# KiCad board st251_20629.kicad_pcb (continued)
## Routing (per net, layer and track width the routed paths; a pad name or vN(x,y) marks a point on that pad's centre or on a via; arc(x,y) is an arc through that point) (continued)
/Digital/D2: length 108.9
  Top w0.254: 6B1.17 42.74,105.08 v1(42.04,105.79) 43.18,106.93 55.88,106.93 57.79,108.84 6C1.17 ; 9.4,57.15 3A1.18 8.76,57.15 7.87,58.04 v1(7.49,58.04) ; 4A1.11 11.68,68.83 19.05,68.83 23.49,64.39 28.19,64.39 28.96,65.15 32.38,65.15 32.89,64.64 v1(35.05,64.64)
  Bottom w0.254: v1(42.04,105.79) 42.04,104.9 36.58,99.44 36.58,76.45 34.8,74.68 34.8,64.9 v1(35.05,64.64) ; 7.37,57.91 v1(7.49,58.04) 8.38,58.93 8.38,62.74 11.81,66.17 11.81,68.71 4A1.11
/Digital/D3: length 101
  Top w0.254: v1(10.92,60.83) 11.05,60.71 3A1.17 ; 6B1.13 37.66,105.47 v1(37.34,105.79) 39.1,107.56 40.45,107.56 41.1,108.2 51.93,108.2 52.71,108.98 6C1.13 ; v1(12.95,75.18) 12.95,73.53 15.75,70.74 20.7,70.74 23.88,67.56 27.56,67.56 28.19,68.2 v1(32.38,68.2)
  Bottom w0.254: v1(37.34,105.79) 37.34,102.87 35.43,100.97 35.43,77.6 33.66,75.82 33.66,69.47 v1(32.38,68.2) ; v1(12.95,75.18) 12.95,73.53 13.72,72.77 13.72,64.77 10.92,61.98 v1(10.92,60.83)
/Digital/D4: length 108.1
  Top w0.254: v1(12.19,56.52) 12.32,56.64 3A1.16 ; 6C1.3 59.05,118.91 57.62,117.48 54.48,117.48 53.34,116.33 45.47,116.33 v1(44.32,115.19) 44.01,114.88 6B1.3 ; v1(14.86,73.28) 16.76,71.37 21.34,71.37 22.61,70.1 v1(31.24,70.1)
  Bottom w0.254: v1(12.19,56.52) 12.19,62.1 14.86,64.77 v1(14.86,73.28) ; v1(44.32,115.19) 43.05,113.92 41.27,113.92 36.32,108.97 36.32,103.12 34.8,101.6 34.8,78.11 33.02,76.33 33.02,71.88 v1(31.24,70.1)
/Digital/D5: length 99.3
  Top w0.254: 3A1.15 13.59,60.71 v1(13.46,60.83) ; v1(31.24,72.64) 18.03,72.64 v1(15.49,75.18) ; 6C1.8 52.71,118.36 52.32,117.98 40.51,117.98 v1(37.72,115.19) 37.66,115.13 6B1.8
  Bottom w0.254: v1(13.46,60.83) 15.37,62.74 15.37,72.14 16,72.77 16,74.68 v1(15.49,75.18) ; v1(31.24,72.64) 30.73,73.15 30.73,79.76 32.89,81.91 32.89,103.25 34.54,104.9 34.54,112.01 v1(37.72,115.19)
/Digital/D6: length 103.4
  Top w0.254: v1(15.49,77.09) 17.4,75.18 v1(31.88,75.18) ; v1(14.73,56.52) 14.86,56.64 3A1.14 ; 6B1.7 38.93,114.63 v1(39.5,115.19) 40.13,115.19 42.42,117.48 52.46,117.48 53.04,118.05 53.12,118.05 53.31,118.24 53.31,118.32 53.98,118.99 6C1.7
  Bottom w0.254: v1(14.73,56.52) 14.73,61.21 16,62.48 16,71.76 16.64,72.39 16.64,75.95 v1(15.49,77.09) ; v1(39.5,115.19) 35.05,110.74 35.05,104.39 33.4,102.74 33.4,81.15 31.37,79.12 31.37,75.69 v1(31.88,75.18)
/Digital/D7: length 96.4
  Top w0.254: v1(32.38,77.72) v1(17.4,77.72) ; v1(16,60.83) 16.13,60.71 3A1.13 ; 6B1.4 42.74,114.86 v1(42.42,115.19) 42.86,115.19 44.64,116.97 52.68,116.97 53.7,117.98 57.39,117.98 57.79,118.38 6C1.4
  Bottom w0.254: v1(16,60.83) 16.64,61.47 16.64,71.37 17.4,72.14 v1(17.4,77.72) ; v1(32.38,77.72) 34.04,79.38 34.04,102.11 35.69,103.76 35.69,109.6 41.27,115.19 v1(42.42,115.19)
/Digital/DIRECTION: length 22.1
  Top w0.254: v1(59.31,122.3) 57.79,123.83 57.79,124.46 ; 6C1.15 55.24,111.51 56.77,113.03 58.29,113.03 v1(58.93,113.67)
  Bottom w0.254: v1(59.31,122.3) 56.26,119.25 56.26,113.41 56.64,113.03 58.29,113.03 v1(58.93,113.67)
/Digital/EMS: length 18.5
  Top w0.254: 2E1.11 74.55,27.05 73.66,26.16 70.48,26.16 v1(70.1,25.78) 69.47,26.42 68.07,26.42 67.56,25.91 67.56,23.5 68.45,22.61 68.45,21.34 67.68,20.56 65.29,20.56 65.02,20.83 1D1.2
/Digital/MCU_INDEX: length 34.9
  Top w0.254: 3A1.33 16.13,41.02 17.65,39.5 20.7,39.5 22.35,41.15 27.43,41.15 v1(28.45,42.16) ; 33.65,25.27 33.65,25.91 v1(32,27.56)
  Bottom w0.254: v1(32,27.56) 29.34,30.23 29.34,35.81 28.45,36.7 v1(28.45,42.16)
/Digital/PA2: length 31.2
  Top w0.254: 2B1.39 28.57,26.92 27.94,26.29 v1(27.94,25.65) ; v1(25.27,38.86) 24.77,38.35 16.89,38.35 13.59,41.66 3A1.31
  Bottom w0.254: v1(25.27,38.86) 26.16,37.97 26.16,36.07 27.43,34.8 27.43,29.08 28.07,28.45 28.07,26.29 27.94,26.16 v1(27.94,25.65)
/Digital/PHI2: length 94.2
  Top w0.254: 2D1.6 59.82,31.12 v1(59.44,30.73) 61.15,29.02 71.31,29.02 72.01,28.32 2E1.9 ; 3A1.4 28.2,54.61 29.46,55.88 29.46,58.42 29.84,58.8 32.51,58.8 37.46,53.85 37.46,51.05 40.64,47.88 46.35,47.88 46.61,47.62 58.04,47.62 59.94,45.72 v1(59.94,45.34) ; v1(62.1,24.64) 63.75,22.99 1D1.3
  Bottom w0.254: v1(34.67,56.39) 34.23,55.95 R80.2 ; v1(59.94,45.34) 62.36,42.93 62.36,40.39 59.44,37.47 v1(59.44,30.73) 59.44,27.31 v1(62.1,24.64)
/Digital/R/~{W}: length 95.7
  Top w0.254: v1(61.85,49.28) 60.96,50.17 47.88,50.17 47.5,50.55 41.78,50.55 40.13,52.2 40.13,56.13 35.05,61.21 v1(26.54,61.21) ; 2E1.10 73.28,28.25 72.06,29.46 71.75,29.46 71.75,29.47 62.35,29.47 v1(61.09,30.73) 2D1.5 ; v1(23.11,56.13) 21.08,56.13 19.94,57.28 3A1.10
  Bottom w0.254: v1(26.54,61.21) 28.45,59.31 28.45,56.82 27.77,56.13 v1(23.11,56.13) ; v1(61.09,30.73) 60.2,31.62 60.2,36.45 62.99,39.24 62.99,43.43 60.83,45.59 60.83,48.26 v1(61.85,49.28)
/Digital/~{0100}: length 107.2
  Top w0.254: 6C1.11 50.16,111 v1(49.02,112.14) ; 2D1.15 64.9,26.8 64.64,26.54 64.26,26.54 63.5,25.78 60.96,25.78 59.94,24.77 56.51,24.77 54.86,26.42 52.07,26.42 51.18,27.31 v1(50.42,27.31)
  Bottom w0.254: v1(50.42,27.31) 50.42,60.96 49.15,62.23 49.15,84.71 51.43,87 51.43,102.62 49.66,104.39 49.66,111.51 v1(49.02,112.14)
/Digital/~{0101}: length 10.4
  Top w0.254: 2D1.14 63.63,26.67 63.25,26.29 59.82,26.29 v1(59.31,25.78) ; v1(60.58,24.13) 61.21,23.5 1D1.5
  Bottom w0.254: v1(60.58,24.13) 60.58,24.51 v1(59.31,25.78)
/Digital/~{0107}: length 35.7
  Top w0.254: 35.81,22.23 35.81,23.5 34.92,24.39 2B1.43 ; 35.81,22.23 41.53,22.23 42.42,23.11 45.59,23.11 48.51,26.04 48.51,27.18 49.53,28.19 50.55,28.19 53.71,31.36 57.77,31.36 57.79,31.37 58.17,31.37 58.55,31.75 2D1.7 ; 35.81,22.23 32.38,22.23 v1(32,21.84)
/Digital/~{EMS}: length 161.2
  Top w0.254: v1(22.23,52.96) 17.4,57.79 3A1.12 ; 6B1.11 35.12,105.86 37.59,108.33 v1(40.13,108.33) ; v1(63.75,48.26) 63.75,48.9 61.98,50.67 49.02,50.67 48.64,51.05 42.21,51.05 40.63,52.64 40.63,57.54 v1(36.2,61.98) 35.94,61.98 35.81,61.85 28.83,61.85 v1(28.07,62.61) ; v1(66.29,25.02) 1D1.1 ; v1(62.36,34.54) 2D1.4
  Bottom w0.254: v1(28.07,62.61) 29.17,61.51 29.17,56.73 27.81,55.37 24.64,55.37 v1(22.23,52.96) ; 64.77,34.54 v1(62.36,34.54) ; 64.77,34.54 64.77,45.72 63.75,46.74 v1(63.75,48.26) ; 64.77,34.54 64.77,33.4 65.79,32.39 65.79,25.53 v1(66.29,25.02) ; v1(36.2,61.98) 36.58,62.36 36.58,67.31 36.2,67.69 36.2,73.41 37.85,75.06 37.85,98.17 44.96,105.28 44.96,106.3 44.58,106.68 41.78,106.68 v1(40.13,108.33)
/Digital/~{HALFSTEP}: length 20
  Top w0.254: v1(57.79,122.3) 56.51,123.57 56.51,124.46 ; 6C1.16 56.51,111.25 57.4,112.14 v1(58.55,112.14)
  Bottom w0.254: v1(57.79,122.3) 55.5,120.02 55.5,113.03 56.39,112.14 v1(58.55,112.14)
/Digital/~{LATCHED_DIR}: length 25.7
  Top w0.254: 2B1.41 32.38,24.26 32,23.88 30.86,23.88 29.72,25.02 v1(29.46,25.02) ; v1(25.53,42.8) 25.53,44.32 3A1.40
  Bottom w0.254: v1(29.46,25.02) 28.83,25.65 28.83,28.58 28.07,29.34 28.07,35.05 26.8,36.32 26.8,41.53 v1(25.53,42.8)
/Digital/~{MCU_READY_OUT}: length 51.6
  Top w0.254: 2B1.6 43.81,26.93 41.91,28.83 37.97,28.83 v1(36.96,27.81) ; v1(22.99,46.99) 21.97,45.97 15.88,45.97 14.86,44.96 3A1.32
  Bottom w0.254: v1(22.99,46.99) 23.49,46.48 29.34,46.48 30.86,44.96 30.86,37.08 31.62,36.32 31.62,31.88 32.77,30.73 33.78,30.73 34.29,31.24 35.56,31.24 36.96,29.84 v1(36.96,27.81)
/Digital/~{MCU_TRK0_OUT}: length 34.3
  Top w0.254: v1(35.18,28.19) 36.45,26.92 37.97,26.92 39.24,28.19 41.66,28.19 42.54,27.31 2B1.5 ; v1(27.56,45.21) 27.05,45.72 3A1.41
  Bottom w0.254: v1(35.18,28.19) 34.29,28.19 30.61,31.88 30.61,36.45 29.97,37.08 29.97,43.43 28.19,45.21 v1(27.56,45.21)
/Digital/~{MCUSTEP}: length 34.2
  Top w0.254: v1(25.27,37.47) 16.13,37.47 14.35,39.24 10.54,39.24 9.14,40.64 9.14,44.2 3A1.28 ; v1(27.18,27.81) 27.56,28.19 2B1.38
  Bottom w0.254: v1(25.27,37.47) 25.27,36.07 26.8,34.54 26.8,28.19 v1(27.18,27.81)
/Digital/~{RECOVERY_MODE}: length 68.4
  Top w0.254: 1D1.8 58.17,16.89 57.28,17.78 v1(57.28,19.94) ; v1(57.53,45.34) 56.51,46.36 51.69,46.36 50.67,45.34 33.66,45.34 32.13,43.82 28.57,43.82 26.67,41.91 24.64,41.91 3A1.39
  Bottom w0.254: v1(57.53,45.34) 57.4,45.21 57.4,40.64 54.94,38.18 54.94,21.26 56.26,19.94 v1(57.28,19.94)
ALL_PHASES_ON: length 125.5
  Top w0.254: 7E1.9 75.69,118.24 75.18,118.75 v1(75.06,118.75) ; v1(28.07,86.49) 29.72,88.14 29.72,89.15 33.01,92.44 43.55,92.44 47.62,96.52 47.62,98.93 52.07,103.38 v1(68.45,103.38) ; 3A1.26 7.88,46.99 7.87,46.99 v1(7.24,46.99)
  Bottom w0.254: v1(68.45,103.38) 68.45,103.63 68.07,104.01 68.07,108.71 76.2,116.84 76.2,117.6 v1(75.06,118.75) ; v1(28.07,86.49) 27.3,85.73 27.3,66.8 26.29,65.79 22.99,65.79 19.05,61.85 19.05,57.15 17.14,55.25 17.14,52.71 13.21,48.77 9.02,48.77 v1(7.24,46.99)
CS_: length 85.6
  Top w0.254: 6C1.2 60.32,118.87 v1(59.18,117.73) ; 8F1.4 84.58,147.57 v1(84.84,147.83) ; v1(59.82,102.36) v1(67.44,102.36)
  Bottom w0.254: v1(59.82,102.36) 60.2,102.74 60.2,116.71 v1(59.18,117.73) ; v1(84.84,147.83) 83.95,147.83 83.19,147.07 83.19,143.64 82.04,142.49 82.04,137.54 80.77,136.27 75.69,136.27 68.71,129.29 68.71,111.89 66.93,110.11 66.93,102.87 v1(67.44,102.36)
DRVSEL_OUT: length 49.6
  Top w0.254: v1(34.8,29.97) 35.18,29.97 35.31,30.1 43.43,30.1 44.07,29.46 2B1.9 ; v1(35.05,12.83) 34.93,12.95 29.59,12.95 26.54,9.91 J2.1
  Bottom w0.254: v1(34.8,29.97) 36.07,28.7 36.07,26.8 33.15,23.88 33.15,22.99 33.78,22.35 33.78,19.05 30.99,16.26 30.99,13.72 31.88,12.83 v1(35.05,12.83)
HALL: length 105.9
  Top w0.254: v1(87.63,48.64) 87,49.28 84.33,49.28 83.44,48.39 68.58,48.39 64.39,44.2 59.45,44.2 58.8,44.84 58.8,45.85 57.66,46.99 46.35,46.99 46.1,47.24 39.24,47.24 v1(38.99,47.5) ; 93.47,32.69 93.47,33.4 92.2,34.67 v1(91.57,34.67) 92.57,35.67 95.39,35.67 96.9,34.16 97.66,34.16 98.55,33.27 2F1.2 ; 2B1.34 31.75,33.27 v1(33.15,31.88)
  Bottom w0.254: v1(87.63,48.64) 88.01,48.26 88.01,45.85 89.66,44.2 89.66,41.91 91.57,40.01 v1(91.57,34.67) ; v1(33.15,31.88) 33.27,32 34.8,32 35.43,32.64 35.43,35.69 35.56,35.81 37.97,35.81 39.75,37.59 39.75,46.74 v1(38.99,47.5)
INDEX_OUT: length 74.1
  Top w0.254: 2B1.12 43.69,33.27 43.05,32.64 41.02,32.64 40.39,32 v1(39.62,32) ; v1(82.42,11.68) 78.99,11.68 v1(77.72,12.95) ; v1(52.96,21.59) 52.83,21.46 52.32,21.46 50.16,19.3 v1(48.39,19.3)
  Bottom w0.254: v1(48.39,19.3) 48.39,21.84 39.62,30.61 v1(39.62,32) ; J1.20 80.52,9.78 v1(82.42,11.68) ; v1(77.72,12.95) 77.72,11.68 75.69,9.65 74.68,9.65 73.15,11.18 64.52,11.18 62.61,13.08 59.18,13.08 58.04,14.22 58.04,15.94 52.96,21.02 v1(52.96,21.59)
LIFE_TEST: length 65.2
  Top w0.254: 3A1.38 22.48,44.7 v1(22.23,44.96)
  Bottom w0.254: J7.10 44.58,15.75 44.58,17.78 43.94,18.42 40.01,18.42 39.5,17.91 39.5,13.72 37.72,11.94 31.88,11.94 30.35,13.46 30.35,16.51 33.15,19.3 33.15,21.97 32.51,22.61 32.51,23.37 29.97,25.91 29.97,28.45 28.7,29.72 28.7,35.43 27.43,36.7 27.43,42.67 25.15,44.96 v1(22.23,44.96)
MTA+: length 81.2
  Top w0.2: 7C1.1 61.6,134.62 v1(60.2,136.02)
  Bottom w0.254: v1(60.2,136.02) 60.2,137.8 63.12,140.72 66.55,140.72 75.82,149.99 75.82,157.16 79.38,160.72 79.38,162.31 82.8,165.74 92.58,165.74 93.73,166.88 93.73,168.91 95,170.18 95,178.44 96.9,180.34 96.9,189.61 11F1.2
MTA-: length 70.1
  Top w0.254: v1(61.98,137.03) 59.69,137.03 59.31,136.65 59.31,135.64 60.32,134.62 7C1.2
  Bottom w0.254: v1(61.98,137.03) 61.98,137.54 63.88,139.45 66.42,139.45 76.33,149.35 76.33,156.72 79.88,160.27 79.88,161.67 83.31,165.1 93.98,165.1 96.39,167.51 96.39,176.15 98.3,178.05 11F1.7
MTB+: length 85.4
  Top w0.254: 10H1.2 108.96,175.78 107.7,177.04 v1(101.09,177.04) ; v1(63.5,136.91) 62.23,138.18 59.56,138.18 59.31,138.43 57.02,138.43 56.39,137.8 56.39,135.76 57.79,134.37 7C1.4
  Bottom w0.254: v1(101.09,177.04) 99.95,175.9 99.95,171.45 98.81,170.31 98.81,167.13 97.92,166.24 96.14,166.24 94.36,164.47 83.69,164.47 80.52,161.29 80.52,159.89 76.96,156.34 76.96,148.97 64.9,136.91 v1(63.5,136.91)
MTB-: length 74.9
  Top w0.254: v1(63.75,133.1) 63.19,132.53 56.96,132.53 56.51,132.97 7C1.5
  Bottom w0.254: v1(63.75,133.1) 64.64,133.1 79.5,147.96 79.5,155.19 82.17,157.86 92.46,157.86 96.14,154.18 102.11,154.18 108.2,160.27 108.2,161.42 109.6,162.81 10H1.7
MTC+: length 53.4
  Top w0.254: 60.51,131.7 v1(60.45,131.75) 60.38,131.83 56.28,131.83 55.24,132.86 7C1.6
  Bottom w0.254: v1(60.45,131.75) 60.45,133.35 62.1,135 64.64,135 78.36,148.72 78.36,155.96 81.53,159.13 88.67,159.13 10F1.10
MTC-: length 73.9
  Top w0.254: v1(62.1,131.7) 61.09,130.68 56.51,130.68 53.98,133.22 7C1.7
  Bottom w0.254: 10F1.15 102.75,155.97 101.47,154.69 96.9,154.69 93.09,158.5 81.79,158.5 78.99,155.7 78.99,148.34 65.02,134.37 63.12,134.37 62.1,133.35 v1(62.1,131.7)
MTD+: length 105.8
  Top w0.2: 57.91,129.79 55.88,129.79 52.71,132.97 7C1.8
  Top w0.254: 57.91,129.79 60.2,129.79 60.58,130.18 62.1,130.18 v1(62.74,129.54)
  Bottom w0.254: 11F1.10 104.65,177.04 104.65,175.26 107.95,171.96 110.36,171.96 111.89,170.43 111.89,159.13 110.62,157.86 107.57,157.86 102.49,152.78 95.5,152.78 91.57,156.72 82.8,156.72 80.77,154.69 80.77,147.32 62.99,129.54 v1(62.74,129.54)
MTD-: length 121.5
  Top w0.2: 58.04,129.16 55.37,129.16 51.43,133.1 7C1.9
  Top w0.254: v1(61.21,129.16) 58.04,129.16
  Bottom w0.254: v1(61.21,129.16) 61.21,129.92 61.85,130.56 62.99,130.56 80.26,147.83 80.26,155.07 82.55,157.35 91.82,157.35 95.63,153.54 102.36,153.54 107.44,158.62 110.24,158.62 111.25,159.64 111.25,168.53 110.36,169.42 108.97,169.42 108.2,170.18 108.2,171.06 104.14,175.12 104.14,179.71 103.89,179.96 103.89,180.98 102.49,182.37 102.49,190.25 103.25,191.01 11F1.15
MTE+: length 81.3
  Top w0.254: 7C1.11 50.16,125.86 52.58,128.27 58.29,128.27 v1(59.44,127.13)
  Bottom w0.254: 10F1.2 102.35,168.14 100.97,166.75 99.57,166.75 98.42,165.61 97.03,165.61 95,163.58 83.69,163.58 81.41,161.29 81.41,159.77 77.72,156.08 77.72,148.84 64.52,135.64 61.6,135.64 59.56,133.6 59.56,127.25 v1(59.44,127.13)
MTE-: length 68.4
  Top w0.254: 57.79,126.75 v1(57.66,126.75) 52.96,126.75 51.43,125.22 7C1.12
  Bottom w0.254: v1(57.66,126.75) 58.55,127.64 58.55,137.8 62.61,141.86 66.55,141.86 75.18,150.5 75.18,157.35 78.74,160.91 78.74,162.94 82.42,166.62 88.54,166.62 10F1.7
READ_DATA: length 149.2
  Top w0.254: 2B1.36 33.15,30.73 34.16,31.75 36.2,31.75 v1(36.45,32) ; v1(4.19,121.16) 4.83,120.52 6A1.24 ; v1(29.34,96.14) 40.75,96.14 v1(40.77,96.15) ; v1(4.7,105.66) 6.73,105.66 7.37,106.3 23.24,106.3 26.16,109.22 30.24,109.22 v1(31.23,110.21)
  Bottom w0.254: v1(40.77,96.15) 40.77,59.56 39.37,58.17 39.37,49.66 40.64,48.39 40.64,37.34 37.46,34.16 R35.2 36.9,32.45 v1(36.45,32) ; v1(31.23,110.21) 31.37,110.07 31.37,106.17 29.72,104.52 29.72,96.52 v1(29.34,96.14) ; v1(4.19,121.16) 4.95,120.4 4.95,117.16 4.32,116.52 4.32,106.3 4.95,105.66 v1(4.7,105.66)
READY_OUT: length 82.1
  Top w0.254: v1(79.63,39.62) 78.1,41.15 75.95,41.15 75.56,40.77 75.56,38.23 73.91,36.58 70.23,36.58 69.72,37.08 59.44,37.08 58.55,36.2 56.64,36.2 50.04,29.59 48.77,29.59 46.1,26.92 2B1.7
  Bottom w0.254: v1(79.63,39.62) 79.63,37.85 83.69,33.78 83.69,23.62 84.2,23.11 84.2,14.35 83.44,13.59 82.8,13.59 77.98,8.76 J1.22
RECOVERY_MODE: length 13.8
  Top w0.254: 1D1.9 59.94,15.62 59.82,15.49 58.18,15.49 57.53,16.14 57.53,16.64 54.86,19.3 v1(52.2,19.3)
  Bottom w0.254: J7.13 52.2,18.29 v1(52.2,19.3)
RING: length 176
  Top w0.254: v1(83.95,154.81) 79.76,154.81 77.72,152.78 77.72,147.45 77.22,146.94 77.22,144.27 76.2,143.26 76.2,140.34 77.85,138.68 77.85,132.72 78.74,131.83 78.74,125.22 80.26,123.7 80.26,118.87 80.01,118.62 80.01,117.73 v1(77.6,115.32) ; 3A1.30 12.32,44.58 v1(13.34,45.59) ; 8F1.24 91.95,151.38 92.33,151.77 v1(92.33,152.91) ; v1(29.34,82.8) 30.73,82.8 34.04,86.11 45.34,86.11 52.83,93.6 60.71,93.6 62.74,95.63 v1(66.93,95.63)
  Bottom w0.254: v1(77.6,115.32) 76.96,115.32 70.61,108.97 70.61,103.25 66.93,99.57 v1(66.93,95.63) ; v1(83.95,154.81) 85.72,154.81 87.63,152.91 v1(92.33,152.91) ; v1(13.34,45.59) 13.34,46.1 18.54,51.31 18.54,54.61 20.45,56.52 20.45,60.58 24.26,64.39 27.18,64.39 28.7,65.91 28.7,82.17 v1(29.34,82.8)
RIWR1: length 58.9
  Top w0.254: v1(65.41,150.24) 64.77,149.61 62.61,149.61 61.72,150.5 61.72,163.45 62.74,164.47 10E1.2 ; 6C1.9 51.43,120.52 50.29,121.67 v1(49.02,121.67)
  Bottom w0.254: v1(49.02,121.67) 49.02,123.57 54.74,129.29 54.74,139.7 65.28,150.24 v1(65.41,150.24)
RIWR2: length 52.9
  Top w0.254: v1(52.2,121.54) 54.1,121.54 55.24,120.4 6C1.6 ; 10E1.13 71.88,156.85 70.87,155.83 70.87,153.16 72.64,151.38 v1(72.64,150.37)
  Bottom w0.254: v1(52.2,121.54) 52.2,124.21 56.64,128.65 56.64,138.81 65.53,147.7 69.98,147.7 v1(72.64,150.37)
SEEK_COMP: length 96.3
  Top w0.254: 2B1.11 46.74,32 47.37,32.64 49.91,32.64 56.26,38.99 68.96,38.99 69.72,39.75 69.72,42.42 71.75,44.45 86.87,44.45 v1(87.88,43.43)
  Bottom w0.254: v1(87.88,43.43) 88.39,42.93 88.39,41.02 89.66,39.75 89.66,33.27 91.57,31.37 91.57,28.58 92.33,27.81 95.12,27.81 97.28,25.65 97.28,21.97 99.82,19.43 99.82,17.65 97.28,15.11 97.28,11.3 95.76,9.78 J1.8
SERIAL_CLOCK: length 164.6
  Top w0.254: v1(29.21,84.84) 30.48,86.11 30.48,89.27 32.9,91.69 43.82,91.69 48.26,96.14 48.26,98.43 51.18,101.35 v1(66.04,101.35) ; v1(83.95,148.84) 8F1.3 ; v1(11.05,40.51) 3A1.29
  Bottom w0.254: v1(29.21,84.84) 28.07,83.69 28.07,66.29 26.8,65.02 23.62,65.02 19.81,61.21 19.81,56.77 17.91,54.86 17.91,52.32 12.19,46.61 11.05,46.61 10.67,46.23 10.67,44.96 11.43,44.2 11.43,40.89 v1(11.05,40.51) ; v1(83.95,148.84) 82.55,147.45 82.55,144.27 81.53,143.26 81.53,138.3 80.14,136.91 74.93,136.91 67.44,129.41 67.44,112.65 65.79,111 65.79,101.6 v1(66.04,101.35)
SERIAL_DATA: length 157.2
  Top w0.254: v1(79.5,139.95) 78.36,141.1 78.36,141.99 79.5,143.13 79.5,149.23 80.39,150.11 8F1.2 ; v1(11.68,45.72) 11.68,45.72 3A1.27 ; v1(31.1,84.71) 31.24,84.85 31.24,89.03 33.27,91.06 44.45,91.06 49.02,95.63 49.02,98.04 51.18,100.2 v1(60.58,100.2)
  Bottom w0.254: v1(11.68,45.72) 12.83,44.58 14.1,44.58 14.73,45.21 14.73,46.48 19.18,50.93 19.18,53.98 21.08,55.88 21.08,60.07 24.77,63.75 27.69,63.75 29.34,65.41 29.34,81.03 30.73,82.42 30.73,84.34 v1(31.1,84.71) ; v1(60.58,100.2) 60.96,100.58 60.96,105.66 64.01,108.71 64.01,124.84 62.99,125.86 62.99,127.25 75.18,139.45 78.99,139.45 v1(79.5,139.95)
SYS_CLOCK: length 286.5
  Top w0.254: 8F1.1 83.82,151.38 85.6,149.61 86.11,149.61 88.76,146.95 v1(88.76,146.94) ; v1(99.82,125.73) 99.82,124.84 99.31,124.33 v1(99.31,121.92) ; v1(119.51,154.05) 119.89,154.43 119.89,156.97 120.65,157.73 128.14,157.73 128.78,157.1 128.78,156.12 ; v1(60.58,19.05) 62.48,20.96 1D1.4 ; v1(93.34,147.83) 95,146.18 v1(95.5,146.18) ; v1(96.01,91.19) 96.01,93.09 101.47,98.55 v1(101.47,100.2) ; v1(96.14,53.09) 95.5,52.45 95.5,46.48 94.11,45.09 71.63,45.09 69.22,42.67 69.22,40.26 68.58,39.62 55.12,39.62 49.15,33.66 v1(48.77,33.66) ; v1(52.83,23.11) 52.32,23.11 v1(49.78,20.57) ; 2B1.37 30.1,29.46 30.73,30.1 33.53,30.1 34.42,30.99 36.2,30.99 36.45,30.73 40.51,30.73 v1(41.4,31.62)
  Bottom w0.254: v1(88.76,146.94) 89.52,146.18 v1(95.5,146.18) 97.28,144.4 97.28,143.13 96.27,142.11 96.27,135.76 98.04,133.99 98.81,133.99 99.57,133.22 99.57,125.98 v1(99.82,125.73) ; v1(60.58,19.05) 59.94,18.42 56.51,18.42 54.1,20.83 54.1,21.97 52.96,23.11 v1(52.83,23.11) ; v1(49.78,20.57) 49.02,21.34 49.02,33.4 v1(48.77,33.66) 48.77,33.53 45.85,30.61 42.42,30.61 v1(41.4,31.62) ; v1(101.47,100.2) 101.47,105.66 103.38,107.57 103.38,110.24 102.74,110.87 102.74,115.95 100.84,117.86 99.82,117.86 99.31,118.36 v1(99.31,121.92) ; v1(96.14,53.09) 95.63,53.59 95.63,55.37 94.49,56.52 94.49,71.37 92.84,73.03 92.84,78.74 93.47,79.38 94.74,79.38 95.38,80.01 95.38,90.55 v1(96.01,91.19) ; v1(119.51,154.05) 119.63,153.92 119.63,152.53 119,151.89 115.32,151.89 113.66,150.24 113.66,146.05 112.9,145.29 112.39,145.29 109.6,148.08 93.6,148.08 v1(93.34,147.83)
TRK0_OUT: length 91.9
  Top w0.254: 2B1.8 45.97,28.19 47.12,29.34 47.12,31.37 47.75,32 50.29,32 56.64,38.35 69.34,38.35 70.23,39.24 70.23,41.28 72.77,43.82 84.96,43.82 v1(85.47,43.31)
  Bottom w0.254: v1(85.47,43.31) 84.71,42.55 84.71,38.86 86.74,36.83 86.74,26.54 87.76,25.53 87.76,12.57 90.3,10.03 91.31,10.03 93.22,8.13 J1.10
VAA: length 143.5
  Top w0.508: 124.84,129.92 124.59,130.18 124.59,134.75 123.44,135.89 119,135.89 115.95,132.84 115.95,131.83 115.44,131.32 112.39,131.32 v1(111,129.92) ; CR1.1 131.79,130.27 129.67,128.14 127.76,128.14 CR7.1
  Top w0.762: CR7.1 125.86,133.6 v1(127.89,135.64) ; Q2.3 131.45,141.49 v1(130.05,140.08) ; v1(127.51,151.51) v1(126.49,151.51) 123.95,151.51 122.55,152.91 119.13,152.91 119,153.04 v1(118.87,153.04) v1(117.86,153.04) ; v1(112.9,154.94) v1(111.63,154.94) 111.71,155.02 C61.1 112.9,157.35 v1(112.9,154.94)
  Top w1.016: C61.1 111.71,159.81 110.99,160.54 10H1.8 108.21,160.54 106.04,158.37 86.74,158.37 85.98,159.13 85.98,161.67 87.51,163.21 10F1.8 87.51,168.16 90.17,170.81 C56.1 94.66,172.52 95.38,173.23 96.9,173.23 98.3,174.62 11F1.8
  Bottom w0.508: v1(111,129.92) 111,128.59 R52.1 110.68,127 111.25,127 112.9,125.35 112.9,121.6 112.59,121.29
  Bottom w0.762: v1(127.51,151.51) v1(126.49,151.51) 126.87,151.13 126.87,142.88 127.76,141.99 127.76,140.08 ; 127.76,140.08 127.76,135.76 v1(127.89,135.64) ; 127.76,140.08 v1(130.05,140.08)
WRT_OK: length 154.7
  Top w0.254: v1(9.52,118.36) 9.52,125.73 11.05,127.25 6A1.15 ; 36.19,25.27 36.19,26.04 35.31,26.92 34.16,26.92 v1(33.53,27.56) ; v1(5.97,108.59) 7.11,107.44 21.72,107.44 24.89,110.62 27.56,110.62 28.05,111.11 31.36,111.11 v1(32.38,112.14)
  Bottom w0.254: v1(33.53,27.56) 29.97,31.12 29.97,36.07 29.34,36.7 29.34,43.05 28.7,43.69 27.43,43.69 25.53,45.59 22.73,45.59 21.72,46.61 21.72,48.01 29.97,56.26 29.97,80.39 31.88,82.3 31.88,85.47 30.99,86.36 30.99,104.01 32.64,105.66 32.64,111.89 v1(32.38,112.14) ; v1(5.97,108.59) 5.59,108.97 5.59,116.08 7.87,118.36 v1(9.52,118.36)
WRTFLT_OUT: length 111.5
  Top w0.254: 2B1.10 43.94,30.73 v1(43.05,31.62) ; v1(46.48,52.71) 66.55,52.71 67.69,51.56 77.85,51.56 78.61,50.8 78.61,50.55 v1(78.74,50.67)
  Bottom w0.254: J1.12 90.68,8.51 87.12,12.07 87.12,25.02 86.11,26.04 86.11,36.07 82.55,39.62 82.55,42.55 78.74,46.36 v1(78.74,50.67) ; v1(46.48,52.71) 46.86,52.32 46.86,44.58 48.01,43.43 48.01,35.05 44.58,31.62 v1(43.05,31.62)
~{DC_UNSAFE}: length 435.6
  Top w0.254: v1(86.61,127.13) 86.61,124.33 85.09,122.81 v1(83.31,122.81) ; v1(75.18,123.32) 76.9,123.32 ; v1(27.3,116.33) 26.42,115.44 6A1.40 ; v1(41.78,35.18) 40.39,36.58 31.37,36.58 30.86,37.08 2B1.31 ; 71.95,123.32 7E1.1 72.39,124.59 73.15,125.35 73.15,127.25 v1(73.03,127.38) ; v1(124.59,116.84) 124.84,117.09 129.16,117.09 129.54,116.71 v1(129.67,116.71) ; 99.82,32.69 101.81,34.67 v1(101.85,34.67) ; v1(88.77,95.25) 88.77,95.63 86.87,97.54 86.87,105.54 v1(87.76,106.43) ; v1(43.94,97.41) 41.39,94.86 31.23,94.86 v1(28.7,92.33) ; v1(81.28,128.78) 81.28,132.97 v1(80.39,133.86) ; v1(93.47,57.28) 91.82,55.63 91.82,53.34 90.81,52.32 84.58,52.32 81.66,49.4 78.36,49.4 76.84,50.93 66.42,50.93 v1(66.29,51.05) 65.53,51.82 42.54,51.82 v1(41.4,52.96)
  Bottom w0.254: v1(124.59,116.84) 124.59,116.71 122.17,114.3 118.62,114.3 118.36,114.05 111.63,114.05 111,113.41 111,109.73 109.98,108.71 107.7,108.71 105.41,106.43 104.52,106.43 103.38,105.28 103.38,99.95 102.11,98.68 101.09,98.68 100.46,99.31 100.46,105.41 102.62,107.57 102.62,109.86 99.69,112.78 96.9,112.78 93.6,116.08 92.07,116.08 91.57,115.57 91.57,110.62 90.3,109.35 89.03,109.35 88.65,108.97 88.65,107.32 v1(87.76,106.43) 87.25,106.93 87.25,126.49 v1(86.61,127.13) ; v1(83.31,122.81) 83.06,122.81 82.42,123.44 82.42,127.64 v1(81.28,128.78) ; v1(88.77,95.25) 88.77,94.62 92.33,91.06 92.33,72.64 93.85,71.12 93.85,57.66 v1(93.47,57.28) 93.85,56.9 93.85,56.26 95,55.12 95,52.07 101.47,45.59 101.47,35.05 v1(101.85,34.67) ; v1(41.78,35.18) 42.04,35.43 42.04,52.32 v1(41.4,52.96) 41.4,56.01 43.69,58.29 43.69,97.15 v1(43.94,97.41) ; 31.99,110.74 30.86,111.88 30.86,115.06 30.23,115.7 27.94,115.7 v1(27.3,116.33) ; 75.18,127.38 v1(75.18,123.32) ; 75.18,127.38 v1(73.03,127.38) ; 75.18,127.38 75.18,129.03 80.01,133.86 v1(80.39,133.86) ; v1(28.7,92.33) 30.35,93.98 30.35,104.27 32,105.92 32,110.74 ; v1(66.29,51.05) 66.29,50.67 76.96,40.01 76.96,39.88 ; v1(129.67,116.71) 128.65,115.7 128.65,109.73 126.11,107.19 R76.2
~{DIR}: length 96
  Top w0.254: v1(42.16,33.53) 42.16,33.66 40.01,35.81 2B1.32 ; v1(46.23,42.42) 48.32,42.42 49.47,41.28 55.63,41.28 v1(56.01,41.66)
  Bottom w0.254: 62.74,4.95 62.74,10.67 61.21,12.19 59.31,12.19 57.28,14.22 57.28,16 52.96,20.32 52.32,20.32 51.82,20.83 51.82,23.75 52.32,24.26 53.47,24.26 54.36,25.15 54.36,39.12 56.01,40.77 v1(56.01,41.66) 56.01,53.98 RN1.2 ; v1(42.16,33.53) 44.2,33.53 46.23,35.56 v1(46.23,42.42)
~{DRV_SEL}: length 229
  Top w0.254: J7.16 54.61,13.34 67.37,13.34 68.39,12.32 70.1,12.32 70.61,11.81 72.14,11.81 72.9,11.05 74.93,11.05 v1(75.18,10.8) ; 6A1.21 6.22,124.97 v1(2.16,124.97) ; v1(41.02,27.31) 41.27,27.05 41.27,25.27 ; 29.34,110.24 29.21,110.11 25.65,110.11 22.48,106.93 v1(6.1,106.93) ; 1E1.9 v1(71.88,14.99) ; v1(28.83,94.23) 29.97,95.38 41.09,95.38 42.04,96.33 v1(42.04,98.17)
  Top w0.508: 1E1.10 1E1.9
  Bottom w0.254: v1(75.18,10.8) 71.88,14.1 v1(71.88,14.99) ; v1(42.04,98.17) 42.04,95 41.4,94.36 41.4,59.31 40.01,57.91 40.01,50.42 41.27,49.15 41.27,36.96 38.73,34.42 38.73,29.59 v1(41.02,27.31) 43.18,25.15 43.18,20.83 ; J7.16 52.29,15.65 47.72,15.65 47.12,16.26 47.12,19.3 45.59,20.83 43.18,20.83 ; v1(29.08,110.24) 29.59,110.24 30.61,109.22 30.61,106.43 28.96,104.78 28.96,99.31 28.45,98.81 28.45,94.62 v1(28.83,94.23) ; R10.1 32.96,15.75 36.7,15.75 36.96,16 36.96,17.78 38.35,19.18 40.26,19.18 41.91,20.83 43.18,20.83 ; v1(6.1,106.93) 4.83,108.2 4.83,116.08 5.59,116.84 5.59,122.56 3.43,124.71 2.41,124.71 v1(2.16,124.97)
